# Altium PCB FMC_ADC_100M_10B_16CHA_TDC.PcbDoc (part 4 of 4)
Units mm, origin at the board's own origin, x right, y up, seen from the top; angles counter-clockwise.
Board outline 76.78 x 69 mm, 6 copper layers (TOP, G1, L1, G2, POWER, BOTTOM), stack 1.282 mm thick; 796 components, 673 nets, 2963 pads, 62 vias.
Unrouted connection lines stored in the file: 2096.
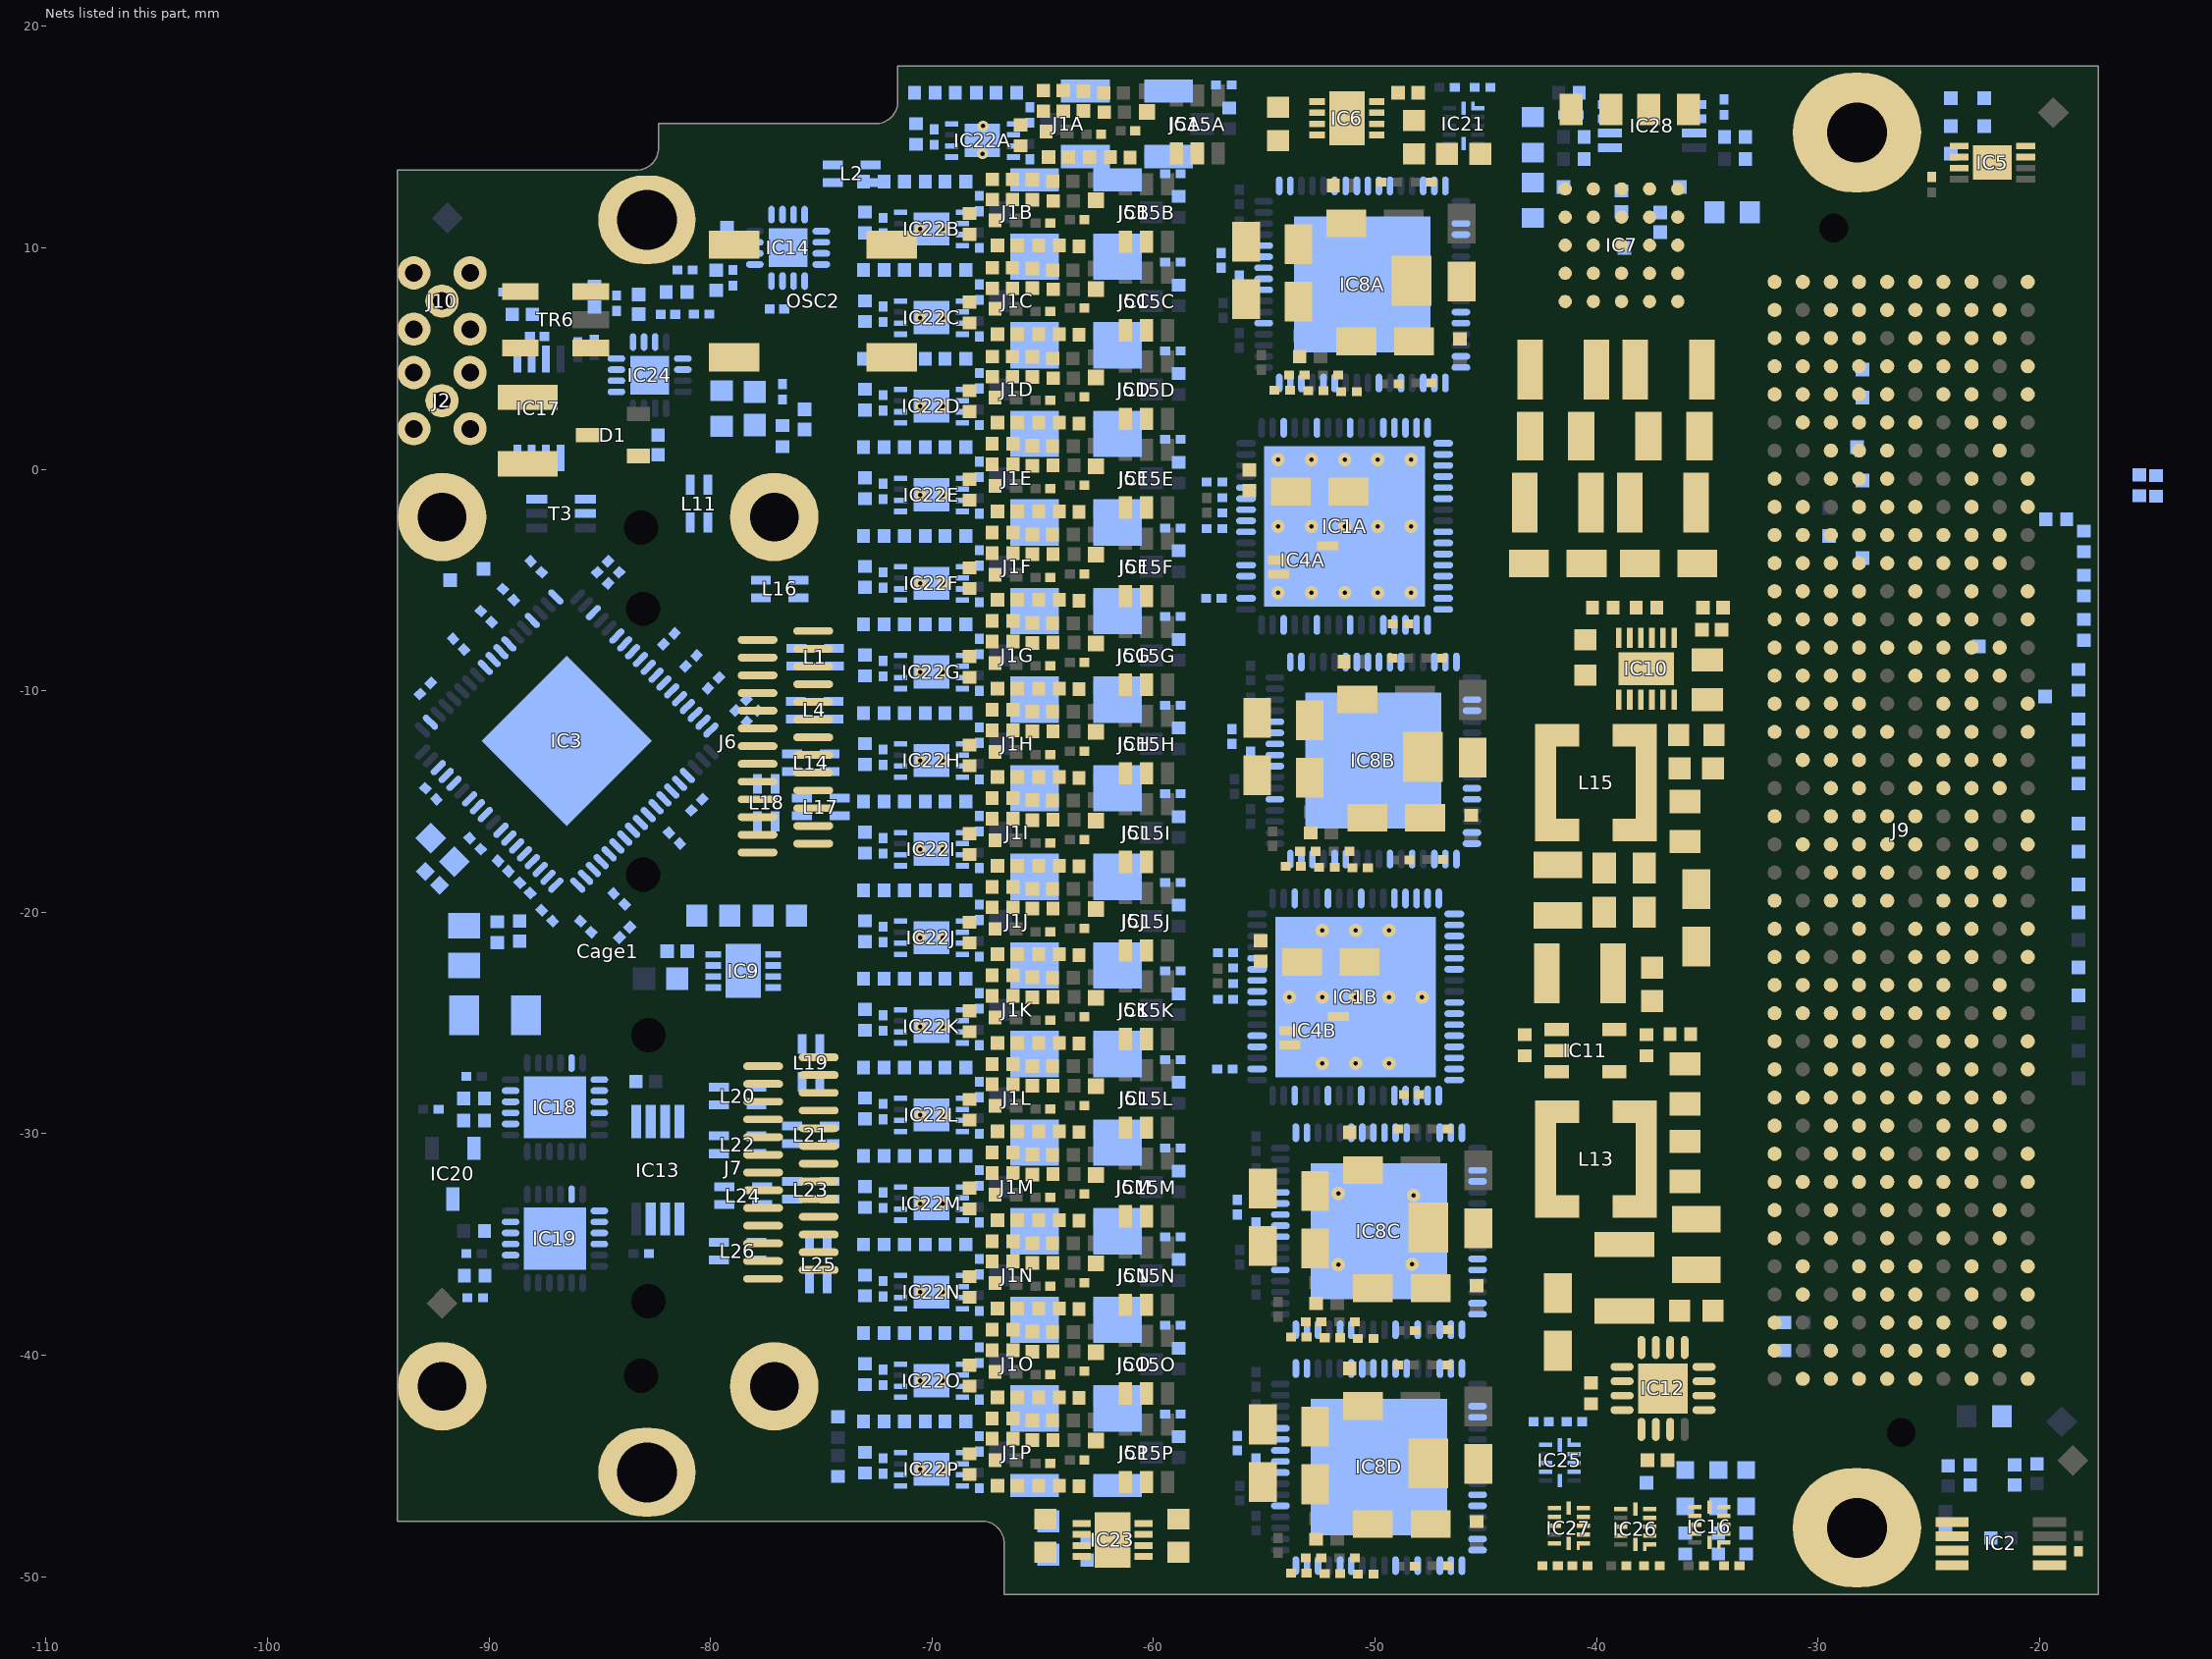
[diagram p7: the nets of this part, all layers, seen from the top]

## Via types
v1: diameter 0.5, hole 0.2, TOP to BOTTOM, tented bottom, 32 vias
v2: diameter 0.6, hole 0.2, TOP to BOTTOM, 30 vias

## Nets (pads, with @x,y where several pads share a name; then routed paths per layer and width w, separated by ;. In a path a pad name is that pad's centre, name@x,y a point inside that pad or via, vN(x,y) a via of type N, cw(c..) or ccw(c..) an arc to the next point about the centre after c; other vN are vias at no path point) (continued)
GND: B1.1 B2.1 B3.1 B4.1 C3A.1 C3B.1 C4A.1 C4B.1 C5A.1 C5B.1 C6A.1 C6B.1 C7A.2 C7B.2 C7C.2 C7D.2 C8.1 C9.1 C11.1 C12.1 C13.2 C14.1 C15.1 C16.2 C17.1 C18.1 C19.1 C21.1 C22.1 C23A.2 C23B.2 C23C.2 C23D.2 C23E.2 C23F.2 C23G.2 C23H.2 C23I.2 C23J.2 C23K.2 C23L.2 C23M.2 C23N.2 C23O.2 C23P.2 C24A.2 C24B.2 C24C.2 C24D.2 C24E.2 C24F.2 C24G.2 C24H.2 C24I.2 C24J.2 C24K.2 C24L.2 C24M.2 C24N.2 C24O.2 C24P.2 C25A.1 C25B.1 C25C.1 C25D.1 C25E.1 C25F.1 C25G.1 C25H.1 C25I.1 C25J.1 C25K.1 C25L.1 C25M.1 C25N.1 C25O.1 C25P.1 C26A.2 C26B.2 C26C.2 C26D.2 C26E.2 C26F.2 C26G.2 C26H.2 C26I.2 C26J.2 C26K.2 C26L.2 C26M.2 C26N.2 C26O.2 C26P.2 C28.1 C29.1 C30.2 C31.2 C32A.2 C32B.2 C32C.2 C32D.2 C33.1 C34.1 C35.1 C36.1 C37.2 C38.1 C39.2 C40.1 C41.2 C42.1 C43.2 C44.1 C45.1 C46.1 C47.1 C49.1 C50.1 C51.1 C52.1 C53.1 C54.2 C55.1 C56.1 C57.1 C58.1 C59.1 C60.1 C61.1 C62.1 C63.1 C64.2 C65.2 C66.2 C67.2 C68.2 C69.2 C71.1 C72.1 C73.1 C74.1 C76.1 C77.2 C78.2 C79.2 C83.2 C87.2 C89A.2 C89B.2 C89C.2 C89D.2 C89E.2 C89F.2 C89G.2 C89H.2 C89I.2 C89J.2 C89K.2 C89L.2 C89M.2 C89N.2 C89O.2 C89P.2 C90A.2 C90B.2 C90C.2 C90D.2 C103.2 C104.2 C111A.2 C111B.2 C111C.2 C111D.2 C112A.2 C112B.2 C112C.2 C112D.2 C113A.2 C113B.2 C113C.2 C113D.2 C114A.2 C114B.2 C114C.2 C114D.2 C115A.2 C115B.2 C115C.2 C115D.2 C116A.2 C116B.2 C116C.2 C116D.2 C117A.2 C117B.2 C117C.2 C117D.2 C118A.2 C118B.2 C118C.2 C118D.2 C119A.2 C119B.2 C119C.2 C119D.2 C120A.2 C120B.2 C120C.2 C120D.2 C121A.2 C121B.2 C121C.2 C121D.2 C122A.2 C122B.2 C123.1 C124A.2 C124B.2 C124C.2 C124D.2 C131.1 C196.1 C208.1 C209.1 C210.1 C211.1 C212.1 C233.1 C234.1 C235.1 C236.1 C239.1 C248.1 C250.1 C251.1 C252.2 C253.1 C254.2 Cage1.1 Cage1.2 Cage1.3 Cage1.4 D1.1 IC1A.3 IC1A.6 IC1A.9 IC1A.12 IC1A.13 IC1A.14 IC1A.36 IC1A.37 IC1A.40 IC1A.43 IC1A.46 IC1A.56 IC1A.65 IC1B.3 IC1B.6 IC1B.9 IC1B.12 IC1B.13 IC1B.14 IC1B.36 IC1B.37 IC1B.40 IC1B.43 IC1B.46 IC1B.56 IC1B.65 IC2.4 IC2.5 IC2.6 IC3.73 IC4A.3 IC4B.3 IC5.3 IC5.4 IC5.7 IC5.9 IC6.6 IC6.9 IC7.B5 IC7.C1 IC7.C2 IC7.C5 IC7.D5 IC8A.19 IC8A.21 IC8A.27 IC8A.28 IC8A.31 IC8A.37 IC8A.50 IC8A.62 IC8A.65 IC8B.19 IC8B.21 IC8B.27 IC8B.28 IC8B.31 IC8B.37 IC8B.50 IC8B.62 IC8B.65 IC8C.19 IC8C.21 IC8C.27 IC8C.28 IC8C.31 IC8C.37 IC8C.50 IC8C.62 IC8C.65 IC8D.19 IC8D.21 IC8D.27 IC8D.28 IC8D.31 IC8D.37 IC8D.50 IC8D.62 IC8D.65 IC9.6 IC9.9 IC10.9 IC10.10 IC10.13 IC11.2 IC12.6 IC12.17 IC13.4 IC13.5 IC13.6 IC13.7 IC14.1 IC14.17 IC15A.2 IC15B.2 IC15C.2 IC15D.2 IC15E.2 IC15F.2 IC15G.2 IC15H.2 IC15I.2 IC15J.2 IC15K.2 IC15L.2 IC15M.2 IC15N.2 IC15O.2 IC15P.2 IC16.6 IC17.5 IC18.9 IC18.17 IC18.21 IC18.22 IC18.25 IC19.9 IC19.17 IC19.21 IC19.22 IC19.25 IC20.3 IC21.6 IC22A.9 IC22B.9 IC22C.9 IC22D.9 IC22E.9 IC22F.9 IC22G.9 IC22H.9 IC22I.9 IC22J.9 IC22K.9 IC22L.9 IC22M.9 IC22N.9 IC22O.9 IC22P.9 IC23.3 IC23.6 IC23.9 IC24.1 IC24.17 IC25.6 IC26.6 IC27.6 IC28.1 J1A.2 J1B.2 J1C.2 J1D.2 J1E.2 J1F.2 J1G.2 J1H.2 J1I.2 J1J.2 J1K.2 J1L.2 J1M.2 J1N.2 J1O.2 J1P.2 J2.2 J5A.2 J5B.2 J5C.2 J5D.2 J5E.2 J5F.2 J5G.2 J5H.2 J5I.2 J5J.2 J5K.2 J5L.2 J5M.2 J5N.2 J5O.2 J5P.2 J6.A1 J6.A4 J6.A7 J6.A10 J6.A13 J6.B1 J6.B4 J6.B7 J6.B10 J6.B13 J7.A1 J7.A4 J7.A7 J7.A10 J7.A13 J7.B1 J7.B4 J7.B7 J7.B10 J7.B13 J9.a1 J9.a4 J9.a5 J9.a8 J9.a9 J9.a12 J9.a13 J9.a16 J9.a17 J9.a20 J9.a21 J9.a24 J9.a25 J9.a28 J9.a29 J9.a32 J9.a33 J9.a36 J9.a37 J9.a40 J9.b2 J9.b3 J9.b6 J9.b7 J9.b10 J9.b11 J9.b14 J9.b15 J9.b18 J9.b19 J9.b22 J9.b23 J9.b26 J9.b27 J9.b30 J9.b31 J9.b34 J9.b35 J9.b38 J9.b39 J9.c1 J9.c4 J9.c5 J9.c8 J9.c9 J9.c12 J9.c13 J9.c16 J9.c17 J9.c20 J9.c21 J9.c24 J9.c25 J9.c28 J9.c29 J9.c32 J9.c33 J9.c36 J9.c38 J9.c40 J9.d2 J9.d3 J9.d6 J9.d7 J9.d10 J9.d13 J9.d16 J9.d19 J9.d22 J9.d25 J9.d28 J9.d37 J9.d39 J9.e1 J9.e4 J9.e5 J9.e8 J9.e11 J9.e14 J9.e17 J9.e20 J9.e23 J9.e26 J9.e29 J9.e32 J9.e35 J9.e38 J9.e40 J9.f2 J9.f3 J9.f6 J9.f9 J9.f12 J9.f15 J9.f18 J9.f21 J9.f24 J9.f27 J9.f30 J9.f33 J9.f36 J9.f39 J9.g1 J9.g4 J9.g5 J9.g8 J9.g11 J9.g14 J9.g17 J9.g20 J9.g23 J9.g26 J9.g29 J9.g32 J9.g35 J9.g38 J9.g40 J9.h2 J9.h3 J9.h6 J9.h9 J9.h12 J9.h15 J9.h18 J9.h21 J9.h24 J9.h27 J9.h30 J9.h33 J9.h36 J9.h39 J9.j1 J9.j4 J9.j5 J9.j8 J9.j11 J9.j14 J9.j17 J9.j20 J9.j23 J9.j26 J9.j29 J9.j32 J9.j35 J9.j38 J9.j40 J9.k2 J9.k3 J9.k6 J9.k9 J9.k12 J9.k15 J9.k18 J9.k21 J9.k24 J9.k27 J9.k30 J9.k33 J9.k36 J9.k39 LD3.1 LD8.1 OSC2.2 R3.1 R8.1 R34.2 R38.2 R40.1 R45.1 R47.2 R48.1 R116A.1 R116B.1 R116C.1 R116D.1 R116E.1 R116F.1 R116G.1 R116H.1 R116I.1 R116J.1 R116K.1 R116L.1 R116M.1 R116N.1 R116O.1 R116P.1 R121.1 R122.1 R124.1 T3.4
  other v1: -70.525,-45.15 -69.525,-45.15 -70.525,-41.15 -69.525,-41.15 -70.525,-37.15 -69.525,-37.15 -70.525,-33.15 -69.525,-33.15 -70.525,-29.15 -69.525,-29.15 -70.525,-25.15 -69.525,-25.15 -70.525,-21.15 -69.525,-21.15 -70.525,-17.15 -69.525,-17.15 -70.525,-13.15 -69.525,-13.15 -70.525,-9.15 -69.525,-9.15 -70.525,-5.15 -69.525,-5.15 -70.525,-1.15 -69.525,-1.15 -70.525,2.85 -69.525,2.85 -70.525,6.85 -69.525,6.85 -70.525,10.85 -69.525,10.85 -67.725,14.25 -67.7,15.5
  other v2: -51.664,-35.916 -48.336,-35.89 -48.26,-32.791 -51.664,-32.69 -52.375,-26.821 -50.875,-26.821 -49.375,-26.821 -53.875,-23.821 -52.375,-23.821 -50.875,-23.821 -49.375,-23.821 -47.875,-23.821 -52.375,-20.821 -50.875,-20.821 -49.375,-20.821 -54.375,-5.571 -52.875,-5.571 -51.375,-5.571 -49.875,-5.571 -48.375,-5.571 -54.375,-2.571 -52.875,-2.571 -51.375,-2.571 -49.875,-2.571 -48.375,-2.571 -54.375,0.429 -52.875,0.429 -51.375,0.429 -49.875,0.429 -48.375,0.429
HA00_CC_N: IC8D.17 J9.f5
HA00_CC_P: IC8D.18 J9.f4
HA01_CC_N: IC8A.17 J9.e3
HA01_CC_P: IC8A.18 J9.e2
HA02_N: IC8D.15 J9.k8
HA02_P: IC8D.16 J9.k7
HA04_N: IC8D.11 J9.f8
HA04_P: IC8D.12 J9.f7
HA06_N: IC8D.7 J9.k11
HA06_P: IC8D.8 J9.k10
HA08_N: IC8D.3 J9.f11
HA08_P: IC8D.4 J9.f10
HA10_N: IC8A.15 J9.k14
HA10_P: IC8A.16 J9.k13
HA12_N: IC8A.11 J9.f14
HA12_P: IC8A.12 J9.f13
HA14_N: IC8A.7 J9.j16
HA14_P: IC8A.8 J9.j15
HA16_N: IC8A.3 J9.e16
HA16_P: IC8A.4 J9.e15
HA17_CC_N: J9.k17
HA17_CC_P: J9.k16
HA19_N: J9.f20
HA19_P: J9.f19
halfA: IC15A.1 R115A.1 R118A.2
halfB: IC15B.1 R115B.1 R118B.2
halfC: IC15C.1 R115C.1 R118C.2
halfD: IC15D.1 R115D.1 R118D.2
halfE: IC15E.1 R115E.1 R118E.2
halfF: IC15F.1 R115F.1 R118F.2
halfG: IC15G.1 R115G.1 R118G.2
halfH: IC15H.1 R115H.1 R118H.2
halfI: IC15I.1 R115I.1 R118I.2
halfJ: IC15J.1 R115J.1 R118J.2
halfK: IC15K.1 R115K.1 R118K.2
halfL: IC15L.1 R115L.1 R118L.2
halfM: IC15M.1 R115M.1 R118M.2
halfN: IC15N.1 R115N.1 R118N.2
halfO: IC15O.1 R115O.1 R118O.2
halfP: IC15P.1 R115P.1 R118P.2
HB00_CC_N: IC8C.17 J9.k26
HB00_CC_P: IC8C.18 J9.k25
HB01_N: IC8C.3 J9.j25
HB01_P: IC8C.4 J9.j24
HB03_N: IC8C.7 J9.e22
HB03_P: IC8C.8 J9.e21
HB06_CC_N: IC8C.11 J9.k29
HB06_CC_P: IC8C.12 J9.k28
HB07_N: IC8C.15 J9.j28
HB07_P: IC8C.16 J9.j27
HB13_N: IC8B.3 J9.e31
HB13_P: IC8B.4 J9.e30
HB16_N: IC8B.7 J9.f35
HB16_P: IC8B.8 J9.f34
HB17_CC_N: IC8B.17 J9.k38
HB17_CC_P: IC8B.18 J9.k37
HB18_N: IC8B.15 J9.j37
HB18_P: IC8B.16 J9.j36
HB20_P: IC8B.11 J9.f37
HB21_N: J9.e37
IDC_INT0: IC8A.55 R51.1
IDC_INT1: R56.1
IDC_INT2: R58.1
IDC_INT3: R60.1
IDX0.SIG_N: IC8A.43 IC14.10 R130A.2
IDX0.SIG_P: IC8A.42 IC14.9 R130A.1
IDX1.SIG_N: IC8B.43 IC14.12 R130B.2
IDX1.SIG_P: IC8B.42 IC14.11 R130B.1
IDX2.SIG_N: IC8C.43 IC14.14 R130C.2
IDX2.SIG_P: IC8C.42 IC14.13 R130C.1
IDX3.SIG_N: IC8D.43 IC14.16 R130D.2
IDX3.SIG_P: IC8D.42 IC14.15 R130D.1
IDX_N: IC14.4 J9.h20 R50.2
IDX_P: IC14.3 J9.h19 R50.1
IDX_SRC_SEL_1V8: IC14.2 IC27.9
IN0_N: L1.3 R111A.1 R114A.1
IN0_P: L1.2 R113A.1 R114A.2
IN1_N: L2.3 R111B.1 R114B.1
IN1_P: L2.2 R113B.1 R114B.2
IN2_N: L4.3 R111C.1 R114C.1
IN2_P: L4.2 R113C.1 R114C.2
IN3_N: L11.3 R111D.1 R114D.1
IN3_P: L11.2 R113D.1 R114D.2
IN4_N: L14.3 R111E.1 R114E.1
IN4_P: L14.2 R113E.1 R114E.2
IN5_N: L16.3 R111F.1 R114F.1
IN5_P: L16.2 R113F.1 R114F.2
IN6_N: L17.3 R111G.1 R114G.1
IN6_P: L17.2 R113G.1 R114G.2
IN7_N: L18.3 R111H.1 R114H.1
IN7_P: L18.2 R113H.1 R114H.2
IN8_N: L19.3 R111I.1 R114I.1
IN8_P: L19.2 R113I.1 R114I.2
IN9_N: L20.3 R111J.1 R114J.1
IN9_P: L20.2 R113J.1 R114J.2
IN10_N: L21.3 R111K.1 R114K.1
IN10_P: L21.2 R113K.1 R114K.2
IN11_N: L22.3 R111L.1 R114L.1
IN11_P: L22.2 R113L.1 R114L.2
IN12_N: L23.3 R111M.1 R114M.1
IN12_P: L23.2 R113M.1 R114M.2
IN13_N: L24.3 R111N.1 R114N.1
IN13_P: L24.2 R113N.1 R114N.2
IN14_N: L25.3 R111O.1 R114O.1
IN14_P: L25.2 R113O.1 R114O.2
IN15_N: L26.3 R111P.1 R114P.1
IN15_P: L26.2 R113P.1 R114P.2
INU0_N: J6.B3 L1.4
INU0_P: J6.B2 L1.1
INU1_N: J6.A3 L2.4
INU1_P: J6.A2 L2.1
INU2_N: J6.B6 L4.4
INU2_P: J6.B5 L4.1
INU3_N: J6.A6 L11.4
INU3_P: J6.A5 L11.1
INU4_N: J6.B9 L14.4
INU4_P: J6.B8 L14.1
INU5_N: J6.A9 L16.4
INU5_P: J6.A8 L16.1
INU6_N: J6.B12 L17.4
INU6_P: J6.B11 L17.1
INU7_N: J6.A12 L18.4
INU7_P: J6.A11 L18.1
INU8_N: J7.B3 L19.4
INU8_P: J7.B2 L19.1
INU9_N: J7.A3 L20.4
INU9_P: J7.A2 L20.1
INU10_N: J7.B6 L21.4
INU10_P: J7.B5 L21.1
INU11_N: J7.A6 L22.4
INU11_P: J7.A5 L22.1
INU12_N: J7.B9 L23.4
INU12_P: J7.B8 L23.1
INU13_N: J7.A9 L24.4
INU13_P: J7.A8 L24.1
INU14_N: J7.B12 L25.4
INU14_P: J7.B11 L25.1
INU15_N: J7.A12 L26.4
INU15_P: J7.A11 L26.1
LA01_CC_N: IC1A.26 J9.d9
LA01_CC_P: IC1A.25 J9.d8
LA02_N: IC1A.16 J9.h8
LA02_P: IC1A.15 J9.h7
LA03_N: IC1A.18 J9.g10
LA03_P: IC1A.17 J9.g9
LA04_N: IC1A.20 J9.h11
LA04_P: IC1A.19 J9.h10
LA05_N: IC1A.22 J9.d12
LA05_P: IC1A.21 J9.d11
LA06_N: IC1A.28 J9.c11
LA06_P: IC1A.27 J9.c10
LA07_N: IC1A.30 J9.h14
LA07_P: IC1A.29 J9.h13
LA08_N: IC1A.32 J9.g13
LA08_P: IC1A.31 J9.g12
LA09_N: IC1A.34 J9.d15
LA09_P: IC1A.33 J9.d14
LA12_N: IC16.4 J9.g16 TP14.1
LA12_P: IC16.3 J9.g15 TP13.1
LA13_N: IC16.2 J9.d18 TP12.1
LA13_P: IC25.3 J9.d17 TP18.1
LA14_N: IC25.4 J9.c19 TP19.1
LA14_P: IC26.5 J9.c18 TP24.1
LA16_N: IC14.7 IC17.7 J9.g19 R75.1
LA16_P: IC14.6 IC17.6 J9.g18 R75.2
LA18_CC_N: IC1B.26 J9.c23
LA18_CC_P: IC1B.25 J9.c22
LA19_N: IC1B.34 J9.h23
LA19_P: IC1B.33 J9.h22
LA20_N: IC1B.32 J9.g22
LA20_P: IC1B.31 J9.g21
LA21_N: IC1B.30 J9.h26
LA21_P: IC1B.29 J9.h25
LA22_N: IC1B.28 J9.g25
LA22_P: IC1B.27 J9.g24
LA23_N: IC1B.22 J9.d24
LA23_P: IC1B.21 J9.d23
LA24_N: IC1B.20 J9.h29
LA24_P: IC1B.19 J9.h28
LA25_N: IC1B.18 J9.g28
LA25_P: IC1B.17 J9.g27
LA26_N: IC1B.16 J9.d27
LA26_P: IC1B.15 J9.d26
LA27_N: IC27.4 J9.c27 TP27.1
LA27_P: IC26.3 J9.c26 TP22.1
LA28_P: IC16.5 IC28.3 J9.h31 R83.1 TP31.1
LA29_N: IC10.3 J9.g31 LD5.1 R49.2
LA29_P: IC27.2 J9.g30 TP25.1
LA30_N: J9.h35
LA30_P: J9.h34
LA31_N: IC27.5 J9.g34 TP28.1
LA31_P: IC25.2 J9.g33 TP17.1
LA32_N: J9.h38
LA32_P: J9.h37
LA33_N: IC26.2 J9.g37 TP21.1
LA33_P: IC27.3 J9.g36 TP26.1
LCLKINA_N: IC3.68 IC8A.64
LCLKINA_P: IC3.67 IC8A.63
LCLKINB_N: IC3.61 IC8B.64
LCLKINB_P: IC3.62 IC8B.63
LCLKINC_N: IC3.53 IC8C.64
LCLKINC_P: IC3.52 IC8C.63
LCLKIND_N: IC3.47 IC8D.64
LCLKIND_P: IC3.46 IC8D.63
LDO_VCO: C63.2 C75.2 IC3.15
LF1: C73.2 IC3.7 R31.2
LF2_CAP: C75.1 IC3.14
N3V0: C22.2 C34.2 IC10.7 L15.2 L29.1
N3V0A: C24A.1 C24B.1 C24C.1 C24D.1 C24E.1 C24F.1 C24G.1 C24H.1 C24I.1 C24J.1 C24K.1 C24L.1 C24M.1 C24N.1 C24O.1 C24P.1 IC22A.6 IC22B.6 IC22C.6 IC22D.6 IC22E.6 IC22F.6 IC22G.6 IC22H.6 IC22I.6 IC22J.6 IC22K.6 IC22L.6 IC22M.6 IC22N.6 IC22O.6 IC22P.6 L30.2 TP9.1
NetC1A_2: C1A.2 IC1A.58
NetC1B_2: C1B.2 IC1B.58
NetC2A_2: C2A.2 IC1A.59
NetC2B_2: C2B.2 IC1B.59
NetC4A_2: C4A.2 C5A.2 C6A.2 C122A.1 IC1A.50 IC1A.57 IC1A.60 L12A.2
NetC4B_2: C4B.2 C5B.2 C6B.2 C122B.1 IC1B.50 IC1B.57 IC1B.60 L12B.2
NetC10A_1: C10A.1 R24A.2 R25A.1
NetC10A_2: C10A.2 R7A.1 R19A.2
NetC10B_1: C10B.1 R24B.2 R25B.1
NetC10B_2: C10B.2 R7B.1 R19B.2
NetC10C_1: C10C.1 R24C.2 R25C.1
NetC10C_2: C10C.2 R7C.1 R19C.2
NetC10D_1: C10D.1 R24D.2 R25D.1
NetC10D_2: C10D.2 R7D.1 R19D.2
NetC10E_1: C10E.1 R24E.2 R25E.1
NetC10E_2: C10E.2 R7E.1 R19E.2
NetC10F_1: C10F.1 R24F.2 R25F.1
NetC10F_2: C10F.2 R7F.1 R19F.2
NetC10G_1: C10G.1 R24G.2 R25G.1
NetC10G_2: C10G.2 R7G.1 R19G.2
NetC10H_1: C10H.1 R24H.2 R25H.1
NetC10H_2: C10H.2 R7H.1 R19H.2
NetC10I_1: C10I.1 R24I.2 R25I.1
NetC10I_2: C10I.2 R7I.1 R19I.2
NetC10J_1: C10J.1 R24J.2 R25J.1
NetC10J_2: C10J.2 R7J.1 R19J.2
NetC10K_1: C10K.1 R24K.2 R25K.1
NetC10K_2: C10K.2 R7K.1 R19K.2
NetC10L_1: C10L.1 R24L.2 R25L.1
NetC10L_2: C10L.2 R7L.1 R19L.2
NetC10M_1: C10M.1 R24M.2 R25M.1
NetC10M_2: C10M.2 R7M.1 R19M.2
NetC10N_1: C10N.1 R24N.2 R25N.1
NetC10N_2: C10N.2 R7N.1 R19N.2
NetC10O_1: C10O.1 R24O.2 R25O.1
NetC10O_2: C10O.2 R7O.1 R19O.2
NetC10P_1: C10P.1 R24P.2 R25P.1
NetC10P_2: C10P.2 R7P.1 R19P.2
NetC14_2: C14.2 IC6.4
NetC15_2: C15.2 C21.2 IC10.12 L27.1
NetC16_1: C16.1 C35.2 L29.2 L30.1
NetC17_2: C17.2 IC9.4
NetC18_2: C18.2 IC23.4
NetC19_2: C19.2 IC12.7
NetC20_1: C20.1 IC10.11
NetC20_2: C20.2 IC10.8 L15.1
NetC25A_2: C25A.2 R118A.1 R120A.2
NetC25B_2: C25B.2 R118B.1 R120B.2
NetC25C_2: C25C.2 R118C.1 R120C.2
NetC25D_2: C25D.2 R118D.1 R120D.2
NetC25E_2: C25E.2 R118E.1 R120E.2
NetC25F_2: C25F.2 R118F.1 R120F.2
NetC25G_2: C25G.2 R118G.1 R120G.2
NetC25H_2: C25H.2 R118H.1 R120H.2
NetC25I_2: C25I.2 R118I.1 R120I.2
NetC25J_2: C25J.2 R118J.1 R120J.2
NetC25K_2: C25K.2 R118K.1 R120K.2
NetC25L_2: C25L.2 R118L.1 R120L.2
NetC25M_2: C25M.2 R118M.1 R120M.2
NetC25N_2: C25N.2 R118N.1 R120N.2
NetC25O_2: C25O.2 R118O.1 R120O.2
NetC25P_2: C25P.2 R118P.1 R120P.2
NetC27A_2: C27A.2 R21A.1
NetC27B_2: C27B.2 R21B.1
NetC27C_2: C27C.2 R21C.1
NetC27D_2: C27D.2 R21D.1
NetC27E_2: C27E.2 R21E.1
NetC27F_2: C27F.2 R21F.1
NetC27G_2: C27G.2 R21G.1
NetC27H_2: C27H.2 R21H.1
NetC27I_2: C27I.2 R21I.1
NetC27J_2: C27J.2 R21J.1
NetC27K_2: C27K.2 R21K.1
NetC27L_2: C27L.2 R21L.1
NetC27M_2: C27M.2 R21M.1
NetC27N_2: C27N.2 R21N.1
NetC27O_2: C27O.2 R21O.1
NetC27P_2: C27P.2 R21P.1
NetC36_2: C36.2 C38.2 IC10.1
NetC40_2: C40.2 C42.2 IC14.5 L31.2
NetC48_1: C48.1 TR6.6
NetC70_1: C70.1 R165.1
NetC70_2: C70.2 OSC2.3
NetC71_2: C71.2 C196.2 L3.2 OSC2.4
NetC72_2: C72.2 OSC2.1 R26.2
NetC74_2: C74.2 R31.1
NetC78_1: C78.1 IC28.7 IC28.8 R179.1
NetC123_2: C123.2 C131.2 IC24.5 L10.2
NetC233_2: C233.2 IC7.A3 IC7.E3
NetC239_2: C239.2 IC10.6
NetD1_3: D1.3 IC17.1 IC17.4 J2.1 R52.2
NetIC1A_52: IC1A.52 IC4A.2
NetIC1B_52: IC1B.52 IC4B.2
NetIC2_1: IC2.1 IC13.1 R4.1 R39.1
NetIC2_2: IC2.2 IC13.2 R32.1 R42.1
NetIC3_4: IC3.4 IC27.7 R48.2
NetIC7_A4: IC7.A4 R36.1
NetIC7_A5: IC7.A5 TP7.1
NetIC7_C3: IC7.C3 TP5.1
NetIC7_C4: IC7.C4 R45.2
NetIC7_E4: IC7.E4 R34.1
NetIC7_E5: IC7.E5 TP6.1
NetIC10_4: IC10.4 R46.1
NetIC10_5: IC10.5 R46.2 R47.1
NetIC11_3: IC11.3 L13.1
NetIC11_5: IC11.5 R6.1 R8.2
NetIC18_10: IC18.10 R122.2
NetIC18_11: IC18.11 R121.2
NetIC18_19: IC18.19 IC19.19 IC28.5 R12.1
NetIC18_20: IC18.20 IC19.20 IC28.6 R10.1
NetIC19_10: IC19.10 R124.2
NetIC19_11: IC19.11 R123.2
NetIC22A_1: IC22A.1 R110A.1 R111A.2
NetIC22A_4: IC22A.4 R19A.1 R110A.2 R112A.1
NetIC22A_5: IC22A.5 R24A.1 R117A.1
NetIC22A_8: IC22A.8 R113A.2 R117A.2
NetIC22B_1: IC22B.1 R110B.1 R111B.2
NetIC22B_4: IC22B.4 R19B.1 R110B.2 R112B.1
NetIC22B_5: IC22B.5 R24B.1 R117B.1
NetIC22B_8: IC22B.8 R113B.2 R117B.2
NetIC22C_1: IC22C.1 R110C.1 R111C.2
NetIC22C_4: IC22C.4 R19C.1 R110C.2 R112C.1
NetIC22C_5: IC22C.5 R24C.1 R117C.1
NetIC22C_8: IC22C.8 R113C.2 R117C.2
NetIC22D_1: IC22D.1 R110D.1 R111D.2
NetIC22D_4: IC22D.4 R19D.1 R110D.2 R112D.1
NetIC22D_5: IC22D.5 R24D.1 R117D.1
NetIC22D_8: IC22D.8 R113D.2 R117D.2
NetIC22E_1: IC22E.1 R110E.1 R111E.2
NetIC22E_4: IC22E.4 R19E.1 R110E.2 R112E.1
NetIC22E_5: IC22E.5 R24E.1 R117E.1
NetIC22E_8: IC22E.8 R113E.2 R117E.2
NetIC22F_1: IC22F.1 R110F.1 R111F.2
NetIC22F_4: IC22F.4 R19F.1 R110F.2 R112F.1
NetIC22F_5: IC22F.5 R24F.1 R117F.1
NetIC22F_8: IC22F.8 R113F.2 R117F.2
NetIC22G_1: IC22G.1 R110G.1 R111G.2
NetIC22G_4: IC22G.4 R19G.1 R110G.2 R112G.1
NetIC22G_5: IC22G.5 R24G.1 R117G.1
NetIC22G_8: IC22G.8 R113G.2 R117G.2
NetIC22H_1: IC22H.1 R110H.1 R111H.2
NetIC22H_4: IC22H.4 R19H.1 R110H.2 R112H.1
NetIC22H_5: IC22H.5 R24H.1 R117H.1
NetIC22H_8: IC22H.8 R113H.2 R117H.2
NetIC22I_1: IC22I.1 R110I.1 R111I.2
NetIC22I_4: IC22I.4 R19I.1 R110I.2 R112I.1
NetIC22I_5: IC22I.5 R24I.1 R117I.1
NetIC22I_8: IC22I.8 R113I.2 R117I.2
NetIC22J_1: IC22J.1 R110J.1 R111J.2
NetIC22J_4: IC22J.4 R19J.1 R110J.2 R112J.1
NetIC22J_5: IC22J.5 R24J.1 R117J.1
NetIC22J_8: IC22J.8 R113J.2 R117J.2
NetIC22K_1: IC22K.1 R110K.1 R111K.2
NetIC22K_4: IC22K.4 R19K.1 R110K.2 R112K.1
NetIC22K_5: IC22K.5 R24K.1 R117K.1
NetIC22K_8: IC22K.8 R113K.2 R117K.2
NetIC22L_1: IC22L.1 R110L.1 R111L.2
NetIC22L_4: IC22L.4 R19L.1 R110L.2 R112L.1
NetIC22L_5: IC22L.5 R24L.1 R117L.1
NetIC22L_8: IC22L.8 R113L.2 R117L.2
NetIC22M_1: IC22M.1 R110M.1 R111M.2
NetIC22M_4: IC22M.4 R19M.1 R110M.2 R112M.1
NetIC22M_5: IC22M.5 R24M.1 R117M.1
NetIC22M_8: IC22M.8 R113M.2 R117M.2
NetIC22N_1: IC22N.1 R110N.1 R111N.2
NetIC22N_4: IC22N.4 R19N.1 R110N.2 R112N.1
NetIC22N_5: IC22N.5 R24N.1 R117N.1
NetIC22N_8: IC22N.8 R113N.2 R117N.2
NetIC22O_1: IC22O.1 R110O.1 R111O.2
NetIC22O_4: IC22O.4 R19O.1 R110O.2 R112O.1
NetIC22O_5: IC22O.5 R24O.1 R117O.1
NetIC22O_8: IC22O.8 R113O.2 R117O.2
NetIC22P_1: IC22P.1 R110P.1 R111P.2
NetIC22P_4: IC22P.4 R19P.1 R110P.2 R112P.1
NetIC22P_5: IC22P.5 R24P.1 R117P.1
NetIC22P_8: IC22P.8 R113P.2 R117P.2
NetIC24_2: IC24.2 R54.2
NetIC26_4: IC26.4 TP23.1
NetIC27_8: IC27.8 R54.1
NetJ10_2: J10.2 R40.2 TR6.4
NetLD3_2: LD3.2 R11.1
NetLD5_2: LD5.2 R9.1
NetLD8_2: LD8.2 R17.1
NetR36_2: R36.2 R38.1
NetR52_1: R52.1 T3.3
P1V8: C3A.2 C3B.2 C11.2 C66.1 C79.1 IC1A.35 IC1B.35 IC4A.5 IC4B.5 IC12.9 IC12.10 IC12.11 IC12.12 IC12.13 IC12.14 IC25.11 IC27.11 L10.1 L12A.1 L12B.1 L31.1 TP8.1
P2V0: C12.2 C13.1 IC12.1 IC12.2 IC12.3 IC12.4 IC12.15 IC12.16 L28.2
P2V0_N: C9.2 L13.2 L28.1 R6.2
P3V3: C8.2 IC11.4 J9.c39 J9.d36 J9.d38 J9.d40 L27.2 R9.2 R11.2 R14.1 R33.1 R74.1 TP3.1
P3V3_A_N: C212.2 IC9.1 IC9.2 IC9.3 L8.1
P3V3_CLK: C28.2 C29.2 C44.2 C45.2 C46.2 C47.2 C49.2 C50.2 C51.2 C52.2 C53.2 C55.2 C56.2 C57.2 C58.2 C59.2 C60.2 C61.2 C62.2 IC3.1 IC3.10 IC3.16 IC3.20 IC3.27 IC3.30 IC3.33 IC3.36 IC3.39 IC3.42 IC3.45 IC3.48 IC3.51 IC3.54 IC3.60 IC3.63 IC3.66 IC3.69 IC3.72 L5.2 TP4.1
P3V3_CLK_N: C209.2 IC6.1 IC6.2 IC6.3 L5.1
P3V3_CLKVDD: L3.1
P3V7: C208.2 C248.2 C251.2 C252.1 IC6.7 IC6.8 IC9.5 IC9.7 IC9.8 L6.2
P3V7_N: C236.2 IC7.D1 IC7.E1 L6.1
P5V0A: C23A.1 C23B.1 C23C.1 C23D.1 C23E.1 C23F.1 C23G.1 C23H.1 C23I.1 C23J.1 C23K.1 C23L.1 C23M.1 C23N.1 C23O.1 C23P.1 IC22A.3 IC22B.3 IC22C.3 IC22D.3 IC22E.3 IC22F.3 IC22G.3 IC22H.3 IC22I.3 IC22J.3 IC22K.3 IC22L.3 IC22M.3 IC22N.3 IC22O.3 IC22P.3 L9.2 TP2.1
P5V0A_N: C210.2 IC23.1 IC23.2 L9.1
P5V5: C211.2 C253.2 C254.1 IC23.8 L7.2
P5V5_N: C250.2 IC7.A1 IC7.B1 L7.1
P12V0: C234.2 C235.2 IC7.A2 IC7.B3 IC7.D3 IC7.E2 J9.c35 J9.c37 R17.2
PG_1V8: IC6.5 IC10.2 IC12.5 IC23.5 R33.2
PG_3V7_5V5: IC7.B4 IC7.D4 IC11.1 R14.2
PG_M2C: J9.f1
Power_Good: IC23.7
REF2V5: C87.1 IC18.8 IC19.8 IC20.2 R2.1
REFA_N: IC3.3 R27.1 R82.2
REFA_P: IC3.2 R23.1 R82.1
REFB_N: IC3.6 IC24.4 R29.2 TR6.3
REFB_P: IC3.5 IC24.3 R29.1 TR6.1
REFCLKA_N: IC3.65 IC8A.41 R131A.2
REFCLKA_P: IC3.64 IC8A.40 R131A.1
REFCLKB_N: IC3.59 IC8B.41 R131B.2
REFCLKB_P: IC3.58 IC8B.40 R131B.1
REFCLKC_N: IC3.50 IC8C.41 R131C.2
REFCLKC_P: IC3.49 IC8C.40 R131C.1
REFCLKD_N: IC3.44 IC8D.41 R131D.2
REFCLKD_P: IC3.43 IC8D.40 R131D.1
RF2: C48.2 J10.1
RF_AUX_N: IC3.29 TP30.1
RF_AUX_P: IC3.28 TP15.1
RVDD33A: C115A.1 C116A.1 IC8A.23 R134A.2
RVDD33B: C115B.1 C116B.1 IC8B.23 R134B.2
RVDD33C: C115C.1 C116C.1 IC8C.23 R134C.2
RVDD33D: C115D.1 C116D.1 IC8D.23 R134D.2
SCL: IC5.6 J9.c30 R42.2 R44.1
SDA: IC5.5 J9.c31 R39.2 R43.1
SDO2B_P: IC8B.12
SYSREF_N: IC3.71 R30.2
SYSREF_P: IC3.70 R30.1
TDC_INT1: IC8B.55
TDC_INT2: IC8C.55
TDC_INT3: IC8D.55
TDC_INT_VADJ0: J9.e27 R51.2
TDC_INT_VADJ1: J9.k31 R56.2
TDC_INT_VADJ2: J9.j30 R58.2
TDC_INT_VADJ3: J9.f31 R60.2
TDC_MISO: IC8A.59 IC8B.59 IC8C.59 IC8D.59 IC25.8
TDC_MOSI: IC8A.58 IC8B.58 IC8C.58 IC8D.58 IC25.9
TDC_PAR0: IC8A.54 R55.1
TDC_PAR1: IC8B.54 R57.1
TDC_PAR2: IC8C.54 R59.1
TDC_PAR3: IC8D.54 R61.1
TDC_PAR_VADJ0: J9.e28 R55.2
TDC_PAR_VADJ1: J9.k32 R57.2
TDC_PAR_VADJ2: J9.j31 R59.2
TDC_PAR_VADJ3: J9.f32 R61.2
TDC_SCK: IC8A.57 IC8B.57 IC8C.57 IC8D.57 IC26.7
TDC_SSN0: IC8A.56 IC16.10
TDC_SSN1: IC8B.56 IC16.9
TDC_SSN2: IC8C.56 IC16.8
TDC_SSN3: IC8D.56 IC16.7
TDI: J9.d30 J9.d31
TEMP_ALARM: IC2.3 IC7.B2 IC7.D2 IC13.3 R5.1
TRIG_DIR: IC17.2 IC17.3 IC26.10
TRIG_TERM: IC26.9 T3.5
TVDD18A: C117A.1 C118A.1 C119A.1 IC8A.30 R135A.2
TVDD18B: C117B.1 C118B.1 C119B.1 IC8B.30 R135B.2
TVDD18C: C117C.1 C118C.1 C119C.1 IC8C.30 R135C.2
TVDD18D: C117D.1 C118D.1 C119D.1 IC8D.30 R135D.2
TVDD33A: C90A.1 C111A.1 IC8A.32 IC8A.44 IC8A.49 R132A.2
TVDD33B: C90B.1 C111B.1 IC8B.32 IC8B.44 IC8B.49 R132B.2
TVDD33C: C90C.1 C111C.1 IC8C.32 IC8C.44 IC8C.49 R132C.2
TVDD33D: C90D.1 C111D.1 IC8D.32 IC8D.44 IC8D.49 R132D.2
VADJ: C54.1 C65.1 C67.1 C69.1 C76.2 C77.1 IC16.1 IC16.12 IC21.1 IC21.12 IC25.1 IC25.12 IC26.1 IC26.12 IC27.1 IC27.12 IC28.2 J9.e39 J9.f40 J9.g39 J9.h40 R49.1 R83.2 R178.2
VCM0: C89A.1 C89B.1 C89C.1 C89D.1 C89E.1 C89F.1 C89G.1 C89H.1 IC1A.53 IC22A.2 IC22B.2 IC22C.2 IC22D.2 IC22E.2 IC22F.2 IC22G.2 IC22H.2
VCM1: C89I.1 C89J.1 C89K.1 C89L.1 C89M.1 C89N.1 C89O.1 C89P.1 IC1B.53 IC22I.2 IC22J.2 IC22K.2 IC22L.2 IC22M.2 IC22N.2 IC22O.2 IC22P.2
VCXO_IN_N: IC3.12 IC24.10
VCXO_IN_P: IC3.11 IC24.9
VCXO_N: C33.2 IC24.7 R20.2
VCXO_P: IC24.6 R20.1 R165.2
VCXO_VT: IC3.8 R26.1
VIO_B_M2C: J9.k40
VREF_A_M2C: J9.h1
pads on no net: Cage1.7 Cage1.8 FTG1.1 FTG2.1 FTG3.1 FTG4.1 FTG5.1 FTG6.1 IC1A.51 IC1A.54 IC1A.55 IC1B.51 IC1B.54 IC1B.55 IC3.9 IC3.13 IC3.17 IC3.18 IC3.19 IC3.21 IC3.22 IC3.23 IC3.24 IC3.25 IC3.26 IC3.55 IC3.56 IC3.57 IC8A.51 IC8A.52 IC8A.53 IC8B.51 IC8B.52 IC8B.53 IC8C.51 IC8C.52 IC8C.53 IC8D.51 IC8D.52 IC8D.53 IC12.8 IC14.8 IC18.1 IC18.7 IC18.18 IC18.23 IC18.24 IC19.1 IC19.7 IC19.18 IC19.23 IC19.24 IC24.8 IC24.11 IC24.12 IC24.13 IC24.14 IC24.15 IC24.16 IC26.8 J6.MTG1 J6.MTG2 J7.MTG1 J7.MTG2 J9.1 J9.2 J9.a2 J9.a3 J9.a6 J9.a7 J9.a10 J9.a11 J9.a14 J9.a15 J9.a18 J9.a19 J9.a22 J9.a23 J9.a26 J9.a27 J9.a30 J9.a31 J9.a34 J9.a35 J9.a38 J9.a39 J9.b4 J9.b5 J9.b8 J9.b9 J9.b12 J9.b13 J9.b16 J9.b17 J9.b20 J9.b21 J9.b24 J9.b25 J9.b28 J9.b29 J9.b32 J9.b33 J9.b36 J9.b37 J9.b40 J9.c2 J9.c3 J9.c6 J9.c7 J9.d1 J9.d4 J9.d5 J9.d29 J9.d33 J9.d34 J9.j39 J9.k1 T3.1 T3.2 T3.6 TR6.2

## Polygon pours and split planes (outlines as drawn)
GND on G1 (split plane): -17.857,-50.28 -66.236,-50.28 -66.236,-48.49 -66.237,-48.488 -66.246,-48.321 -66.274,-48.154 -66.321,-47.992 -66.386,-47.835 -66.468,-47.687 -66.566,-47.549 -66.679,-47.422 -66.805,-47.31 -66.943,-47.212 -67.092,-47.13 -67.248,-47.065 -67.411,-47.018 -67.578,-46.99 -67.726,-46.981 -67.736,-46.98 -67.741,-46.98 -67.744,-46.98 -67.747,-46.98 -93.621,-46.98 -93.621,12.999 -83.347,12.999 -83.346,12.999 -83.321,13.001 -83.311,13 -83.304,13.002 -83.178,13.009 -83.011,13.037 -82.848,13.084 -82.692,13.149 -82.543,13.231 -82.405,13.329 -82.279,13.442 -82.166,13.568 -82.068,13.706 -81.986,13.854 -81.921,14.011 -81.874,14.174 -81.846,14.341 -81.839,14.475 -81.837,14.485 -81.838,14.493 -81.837,14.508 -81.837,14.51 -81.837,15.099 -72.547,15.099 -72.545,15.099 -72.378,15.109 -72.211,15.137 -72.048,15.184 -71.892,15.249 -71.743,15.331 -71.605,15.429 -71.479,15.542 -71.366,15.668 -71.268,15.806 -71.186,15.954 -71.121,16.111 -71.074,16.274 -71.046,16.441 -71.037,16.608 -71.037,16.61 -71.037,17.699 -17.857,17.699
GND on G2 (split plane): -17.857,-50.28 -66.236,-50.28 -66.236,-48.49 -66.237,-48.488 -66.246,-48.321 -66.274,-48.154 -66.321,-47.992 -66.386,-47.835 -66.468,-47.687 -66.566,-47.549 -66.679,-47.422 -66.805,-47.31 -66.943,-47.212 -67.092,-47.13 -67.248,-47.065 -67.411,-47.018 -67.578,-46.99 -67.726,-46.981 -67.736,-46.98 -67.741,-46.98 -67.744,-46.98 -67.747,-46.98 -93.621,-46.98 -93.621,12.999 -83.347,12.999 -83.346,12.999 -83.321,13.001 -83.311,13 -83.304,13.002 -83.178,13.009 -83.011,13.037 -82.848,13.084 -82.692,13.149 -82.543,13.231 -82.405,13.329 -82.279,13.442 -82.166,13.568 -82.068,13.706 -81.986,13.854 -81.921,14.011 -81.874,14.174 -81.846,14.341 -81.839,14.475 -81.837,14.485 -81.838,14.493 -81.837,14.508 -81.837,14.51 -81.837,15.099 -72.547,15.099 -72.545,15.099 -72.378,15.109 -72.211,15.137 -72.048,15.184 -71.892,15.249 -71.743,15.331 -71.605,15.429 -71.479,15.542 -71.366,15.668 -71.268,15.806 -71.186,15.954 -71.121,16.111 -71.074,16.274 -71.046,16.441 -71.037,16.608 -71.037,16.61 -71.037,17.699 -17.857,17.699
GND on POWER (split plane): -17.857,-50.28 -66.236,-50.28 -66.236,-48.49 -66.237,-48.488 -66.246,-48.321 -66.274,-48.154 -66.321,-47.992 -66.386,-47.835 -66.468,-47.687 -66.566,-47.549 -66.679,-47.422 -66.805,-47.31 -66.943,-47.212 -67.092,-47.13 -67.248,-47.065 -67.411,-47.018 -67.578,-46.99 -67.726,-46.981 -67.736,-46.98 -67.741,-46.98 -67.744,-46.98 -67.747,-46.98 -93.621,-46.98 -93.621,12.999 -83.347,12.999 -83.346,12.999 -83.321,13.001 -83.311,13 -83.304,13.002 -83.178,13.009 -83.011,13.037 -82.848,13.084 -82.692,13.149 -82.543,13.231 -82.405,13.329 -82.279,13.442 -82.166,13.568 -82.068,13.706 -81.986,13.854 -81.921,14.011 -81.874,14.174 -81.846,14.341 -81.839,14.475 -81.837,14.485 -81.838,14.493 -81.837,14.508 -81.837,14.51 -81.837,15.099 -72.547,15.099 -72.545,15.099 -72.378,15.109 -72.211,15.137 -72.048,15.184 -71.892,15.249 -71.743,15.331 -71.605,15.429 -71.479,15.542 -71.366,15.668 -71.268,15.806 -71.186,15.954 -71.121,16.111 -71.074,16.274 -71.046,16.441 -71.037,16.608 -71.037,16.61 -71.037,17.699 -17.857,17.699

## Keep-outs
Keep-Out Layer:
  lines w0.254: -83.948,-47.486 -94.122,-47.486 -94.122,13.514 -83.858,13.514 ; -82.372,14.002 -82.372,15.614 -72.572,15.614 ; -82.347,15.406 -82.143,15.61 -72.547,15.61 ccw(c-72.547,16.61) -71.547,16.61 ; -81.281,-47.486 -67.772,-47.486 cw(c-67.772,-48.486) -66.772,-48.486 -66.772,-50.786 -29.973,-50.786 ; -72.572,15.614 ccw(c-72.572,16.614) -71.572,16.614 -71.572,18.214 -29.846,18.214 ; -67.747,-47.49 cw(c-67.747,-48.49) -66.747,-48.49 ; -26.798,18.214 -17.372,18.214 -17.372,-50.786 -26.671,-50.786

## Silkscreen, mask and mechanical layers (free items; w line width, h text height)
TopSolder:
  lines w0.254: -93.847,-47.49 -93.847,13.51 -83.364,13.51 ; -59.197,-120.28 -38.877,-120.28
Drill Guide:
  text "INPUT1" at -72.17,40.735 h1
  text "INPUT2" at -106.534,-6.775 h1
  text "EXT CLK" at -105.874,-13.099 h1
  text "TRIG" at -103.232,-17.468 h1
  text "REF IN" at -105.468,-21.761 h1
  text "INPUT3" at -106.712,-27.831 h1
  text "INPUT4" at -107.296,-38.957 h1
Mechanical 1:
  the board outline again, w0.127
Mechanical 2:
  circle w0.1: c-82.844,-45.295 r1.025
  circle w0.1: c-82.869,11.254 r1.025
  lines w0.1: -109.847,-17.011 -89.522,-17.011 ; -108.922,-45.286 -82.872,-45.286 ; -108.922,11.264 -82.872,11.264 ; -97.344,12.204 -96.894,12.204 ; -97.344,12.205 -97.344,-46.245 -96.894,-46.245 ; -95.294,12.204 -93.844,12.204 ; -94.844,-43.045 -82.844,-43.045 cw(c-82.844,-45.295) -82.844,-47.545 -93.844,-47.545 -93.844,-46.245 -95.294,-46.245 ; -94.844,-43.02 -94.844,8.98 ; -94.844,9.004 -82.844,9.004 ; -93.844,12.205 -93.844,13.505 -82.844,13.505 cw(c-82.844,11.255) -82.844,9.005 ; -83.844,-45.295 -81.844,-45.295 ; -83.844,11.254 -81.844,11.254 ; -82.876,-45.269 -82.876,11.271 ; -82.844,-46.295 -82.844,-44.295 ; -82.844,10.254 -82.844,12.254 ; -96.894,-46.245 cw(c-96.094,-46.245) -95.294,-46.245 ; -96.894,-46.245 -96.894,12.205 ccw(c-96.094,12.205) -95.294,12.205 -95.294,-46.245
Title Block:
  text ".Print_Scale" at -113.807,-120.28 h1.27
Mechanical 8:
  circle w0.1: c-82.847,-45.29 r1.35
  circle w0.1: c-28.247,15.21 r1.35
  circle w0.1: c-26.247,-43.49 r0.65
  circle w0.1: c-28.247,-47.79 r1.35
  circle w0.1: c-28.247,15.21 r2.9
  circle w0.1: c-28.247,-47.79 r2.9
  lines w0.1: -93.847,-41.99 -62.847,-41.99 -62.847,8.01 -93.847,8.01 ; -83.847,-45.29 -82.847,-45.29 ; -82.847,-46.29 -82.847,-45.29 ; -82.847,-44.29 -82.847,-45.29 ; -81.847,-45.29 -82.847,-45.29 ; -29.247,-47.79 -28.247,-47.79 ; -28.247,-48.79 -28.247,-47.79 ; -28.247,-46.79 -28.247,-47.79 ; -27.247,-47.79 -28.247,-47.79 ; -27.247,-43.49 -26.247,-43.49 ; -26.247,-44.49 -26.247,-43.49 ; -26.247,-42.49 -26.247,-43.49 ; -25.247,-43.49 -26.247,-43.49 ; -21.547,-41.09 -20.547,-41.09 ; -20.547,-42.09 -20.547,-41.09 ; -20.547,-40.09 -20.547,-41.09 ; -19.547,-41.09 -20.547,-41.09
Mechanical 9:
  lines w0.1: -82.347,15.61 -82.347,14.51 cw(c-83.347,14.51) -83.347,13.51 -93.847,13.51 -93.847,-47.49 -79.047,-47.49 ; -75.847,-47.49 -67.747,-47.49 cw(c-67.747,-48.49) -66.747,-48.49 -66.747,-50.79 -44.447,-50.79 ; -75.847,15.61 -72.547,15.61 ccw(c-72.547,16.61) -71.547,16.61 -71.547,18.21 -44.447,18.21 ; -41.247,-50.79 -17.347,-50.79 -17.347,-17.89 ; -41.247,18.21 -17.347,18.21 -17.347,-14.69
Mechanical 10:
  lines w0.1: -98.847,-50.79 -93.847,-50.79 -93.847,-55.79 ; -98.847,13.51 -93.847,13.51 -93.847,18.51 ; -96.347,-47.49 -93.847,-47.49 -93.847,-49.99 ; -74.047,18.21 -71.547,18.21 -71.547,20.71 ; -69.247,-50.79 -66.747,-50.79 -66.747,-53.29 ; -12.347,-50.79 -17.347,-50.79 ; -17.347,-50.79 -17.347,-55.79 -17.347,-50.79
Drill Drawing:
  lines w0.1: -84.347,14.51 -83.347,14.51 ; -83.347,13.51 -83.347,14.51 ; -83.347,15.51 -83.347,14.51 ; -82.347,14.51 -83.347,14.51 ; -73.547,16.61 -72.547,16.61 ; -72.547,15.61 -72.547,16.61 ; -72.547,17.61 -72.547,16.61 ; -71.547,16.61 -72.547,16.61 ; -68.747,-48.49 -67.747,-48.49 ; -67.747,-49.49 -67.747,-48.49 ; -67.747,-47.49 -67.747,-48.49 ; -66.747,-48.49 -67.747,-48.49

## Dimensions
-93.847,8.9 to -71.547,18.21 on Drill Drawing
-94.131,13.51 to -82.347,15.61 on Drill Drawing
-71.547,16.61 to -82.347,14.51 on Drill Drawing
-82.347,15.61 to -93.847,8.9 on Drill Drawing
-67.747,-48.49 to -64.399,-45.143 on Drill Drawing
-66.747,-48.49 to -93.847,-42.88 on Drill Drawing
-66.747,-50.79 to -93.847,-42.88 on Drill Drawing
-83.347,13.51 to -94.131,-47.49 on Drill Drawing
-17.347,18.21 to -17.347,-50.79 on Drill Drawing
-17.347,18.21 to -94.337,8.41 on Drill Drawing

## Text inside footprints (layer, text, board x,y; h text height)
Cage1: TopOverlay "PCB edge" at -98.341,-20.972 h1 r90; Mechanical 14 "B1" at -74.195,-7.648 h1; Mechanical 14 "B13" at -73.981,-18.375 h1; Mechanical 14 "A13" at -81.695,-17.898 h1; Mechanical 14 "A1" at -80.445,-7.823 h1; Mechanical 14 "B1" at -74.195,-26.7 h1; Mechanical 14 "B13" at -73.981,-37.427 h1; Mechanical 14 "A13" at -81.695,-36.95 h1; Mechanical 14 "A1" at -80.445,-26.875 h1; Drill Drawing "PRESS-FIT TECHNOLOGY" at -158.095,-6.204 h1; Drill Drawing "12x diam. 1.05mm +/-0.05" at -160.07,-7.59 h1
IC7: Mechanical 14 "E" at -36.208,6.31 h0.4 r90; Mechanical 14 "D" at -37.478,6.31 h0.4 r90; Mechanical 14 "C" at -38.748,6.31 h0.4 r90; Mechanical 14 "B" at -40.018,6.31 h0.4 r90; Mechanical 14 "A" at -41.288,6.31 h0.4 r90; Mechanical 14 "1" at -42.439,7.453 h0.4 r90; Mechanical 14 "2" at -42.439,8.723 h0.4 r90; Mechanical 14 "3" at -42.439,9.993 h0.4 r90; Mechanical 14 "4" at -42.439,11.263 h0.4 r90; Mechanical 14 "5" at -42.439,12.533 h0.4 r90
J6: TopOverlay "B1" at -74.113,-7.7 h1; TopOverlay "B13" at -76.125,-20.15 h1; TopOverlay "A13" at -81.252,-18.757 h1; TopOverlay "A1" at -80.375,-7.95 h1; Mechanical 14 "A1" at -80.375,-7.875 h1; Mechanical 14 "A13" at -81.625,-17.95 h1; Mechanical 14 "B13" at -73.911,-18.427 h1; Mechanical 14 "B1" at -74.125,-7.7 h1
J7: TopOverlay "B1" at -73.863,-26.95 h1; TopOverlay "B13" at -75.625,-39.4 h1; TopOverlay "A13" at -81.002,-38.007 h1; TopOverlay "A1" at -80.125,-27.2 h1; Mechanical 14 "A1" at -80.125,-27.125 h1; Mechanical 14 "A13" at -81.375,-37.2 h1; Mechanical 14 "B13" at -73.661,-37.677 h1; Mechanical 14 "B1" at -73.875,-26.95 h1
J9: TopOverlay "1" at -34.32,-41.717 h1; TopOverlay "40" at -35.536,7.648 h1; Mechanical 11 "e" at -25.94,-46.249 h1; Mechanical 11 "d" at -24.702,-46.289 h1; Mechanical 11 "c" at -23.326,-46.272 h1; Mechanical 11 "b" at -22.056,-46.272 h1; Mechanical 11 "a" at -20.786,-46.272 h1; Mechanical 11 "f" at -27.208,-46.416 h1; Mechanical 11 "h" at -29.803,-46.272 h1; Mechanical 11 "g" at -28.478,-46.162 h1; Mechanical 11 "j" at -31.018,-46.162 h1; Mechanical 11 "k" at -32.161,-46.289 h1; Mechanical 14 "1" at -34.32,-41.717 h1; Mechanical 14 "40" at -33.359,11.005 h1 r270; Mechanical 14 "k" at -32.161,-46.289 h1; Mechanical 14 "j" at -31.018,-46.162 h1; Mechanical 14 "g" at -28.478,-46.162 h1; Mechanical 14 "h" at -29.803,-46.272 h1; Mechanical 14 "f" at -27.208,-46.416 h1; Mechanical 14 "e" at -25.94,-46.249 h1; Mechanical 14 "d" at -24.702,-46.289 h1; Mechanical 14 "c" at -23.326,-46.272 h1; Mechanical 14 "b" at -22.056,-46.272 h1; Mechanical 14 "a" at -20.786,-46.272 h1